# KiCad board C816SX.kicad_pcb (continued)
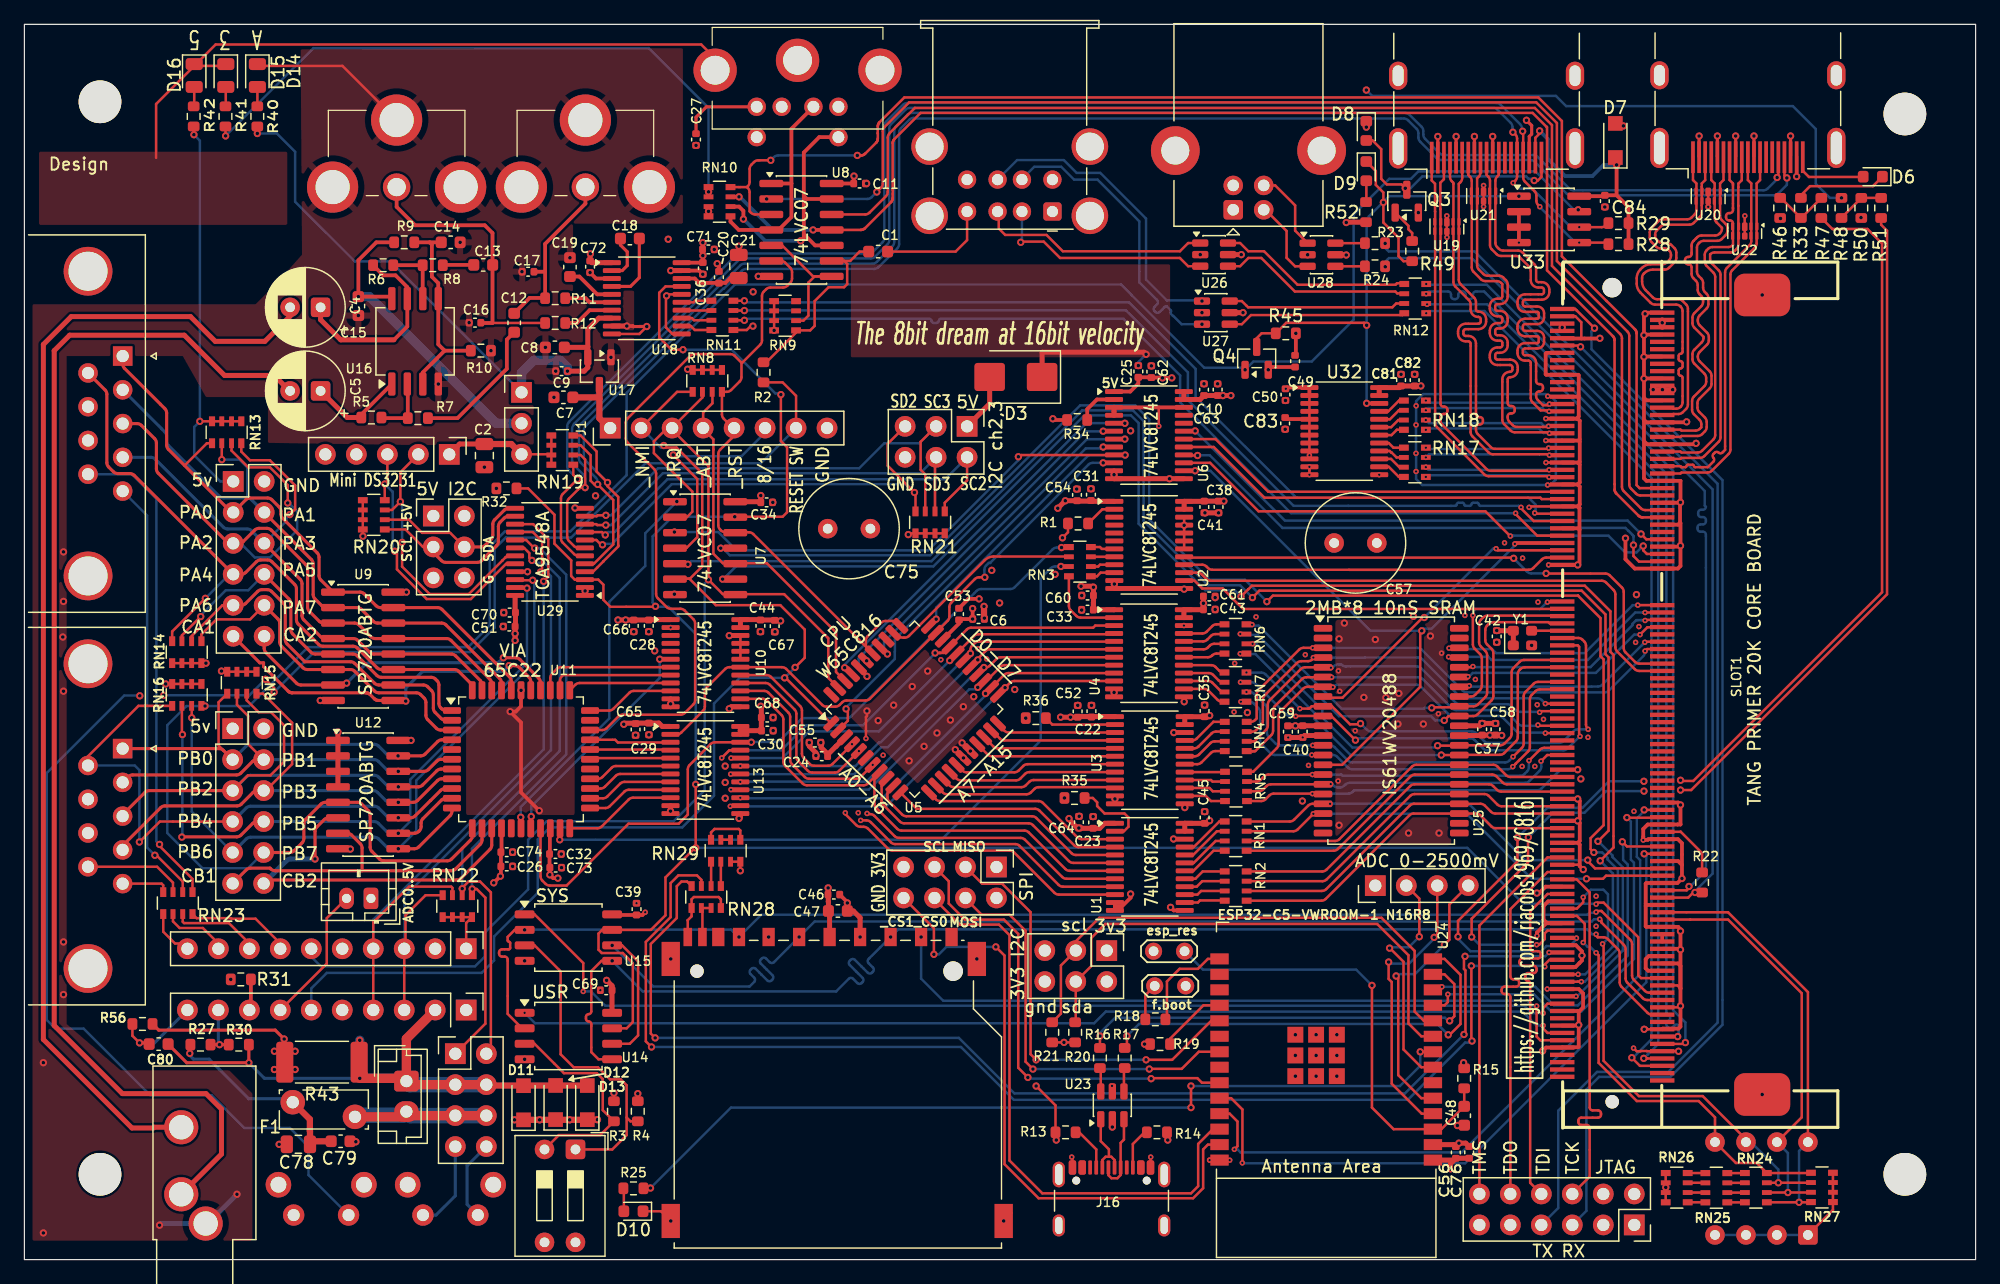
[diagram p0: board, top side]
## Routing (per net, layer and track width the routed paths; a pad name or vN(x,y) marks a point on that pad's centre or on a via; arc(x,y) is an arc through that point) (continued)
  Bottom w0.254: F1.2 21.72,13.2 18.4,13.2 15.15,16.45 13.86,16.45 13.56,16.75 v1(13.56,16.92)
  vias: v1(31.7,42.6) v1(82.11,44.43) v1(84.74,61.65) v1(85.29,37.88) v1(86.65,55.25) v1(114.31,85.91)
/_816: length 18.5
  Top w0.203: 53.3,58.41 54.31,58.41 55.17,59.27 55.17,64.04 53.7,65.52 53.7,65.53 v1(53.2,66.02)
  Bottom w0.203: 60.68,68.2 60.68,67.79 58.81,65.92 53.49,65.92 53.47,65.94 53.29,65.94 v1(53.2,66.02)
/_ABT: length 31
  Top w0.203: U5.42 66.55,48.22 66.55,51.47 60.88,57.14 57.28,57.14 56.5,57.92 56.5,59.89 56.49,59.89 56.49,66.47 56.5,66.47 56.5,67.3 55.61,68.19 J1.4 55.66,69.5 56.42,70.26 56.42,71.18 RN8.7
/_CS2_VIA: length 61.3
  Top w0.203: RN3.5 85.61,58.43 v1(85.04,58.43) ; v1(59.6,42.45) 59.6,42.45 56.63,42.45 arc(56.43,42.41) 56.27,42.3 54.55,40.58 arc(54.44,40.41) 54.4,40.22 54.4,36.52 53.65,35.77 49.54,35.77 44.46,30.69 43.09,30.69 arc(42.9,30.73) 42.73,30.84 42.47,31.1 arc(42.36,31.26) 42.32,31.45 U11.19
  Bottom w0.2: v1(85.04,58.43) 84.67,58.43 arc(84.48,58.39) 84.31,58.28 81.2,55.17 arc(81.04,55.06) 80.85,55.02 78.44,55.02 arc(78.25,54.98) 78.09,54.88 77.9,54.69
  Bottom w0.203: 77.9,54.69 67.79,44.58 arc(67.63,44.47) 67.44,44.43 63.99,44.43 arc(63.8,44.39) 63.64,44.28 61.98,42.62 arc(61.81,42.51) 61.62,42.47 59.62,42.47 v1(59.6,42.45)
/_RESET: length 96.8
  Top w0.203: 58.8,73.6 58.8,72.41 arc(58.76,72.22) 58.65,72.05 57.95,71.35 arc(57.78,71.24) 57.59,71.2 RN8.8 57.2,69.35 arc(57.24,69.16) 57.35,68.99 57.99,68.35 arc(58.1,68.18) 58.14,67.99 58.14,67.75 arc(58.1,67.56) 57.99,67.39 57.05,66.45 arc(56.94,66.28) 56.9,66.09 56.9,60.26 arc(56.94,60.07) 57.05,59.91 57.13,59.83 arc(57.29,59.72) 57.48,59.68 59.41,59.68 arc(59.6,59.64) 59.76,59.53 U5.38 69.15,50.15 arc(69.04,50.31) 69,50.5 69,50.79 arc(69.04,50.98) 69.15,51.15 70.25,52.25 arc(70.42,52.36) 70.61,52.4 71.21,52.4 arc(71.41,52.36) 71.57,52.25 U5.34 ; 58.8,73.6 58.24,74.15 arc(58.08,74.26) 57.89,74.3 54.95,74.3 arc(54.76,74.26) 54.6,74.15 49.46,69.02 arc(49.35,68.86) 49.31,68.67 49.31,67.39 arc(49.35,67.2) 49.46,67.04 51.65,64.85 arc(51.76,64.68) 51.8,64.49 51.8,54.61 arc(51.84,54.42) 51.95,54.26 52.66,53.55 arc(52.82,53.44) 53.01,53.4 53.79,53.4 arc(53.98,53.36) 54.15,53.25 54.85,52.55 arc(54.96,52.38) 55,52.19 55,45.91 arc(54.96,45.72) 54.85,45.55 54.16,44.86 arc(53.99,44.75) 53.8,44.71 49.06,44.71 arc(48.87,44.67) 48.7,44.56 47.74,43.6 arc(47.58,43.49) 47.38,43.45 U11.31 ; 58.8,73.6 58.86,73.6 60.34,75.07 arc(60.44,75.23) 60.48,75.42 60.48,79.07 arc(60.52,79.26) 60.63,79.43 60.82,79.62 arc(60.98,79.72) 61.17,79.76 62.21,79.76 arc(62.4,79.8) 62.56,79.91 62.8,80.15 arc(62.91,80.31) 62.95,80.5 62.95,81.03 arc(62.91,81.22) 62.8,81.38 62.38,81.8 arc(62.22,81.91) 62.03,81.95 U8.6
/_RWVIA: length 18.3
  Top w0.203: v1(41.56,36.35) 41.52,36.32 U11.18
  Bottom w0.203: v1(52.1,49.26) 52.1,47.73 41.56,37.19 v1(41.56,36.35)
/_VP: length 31.4
  Top w0.203: U5.40 69.09,47.94 v1(69.09,47.86) ; v1(88.46,67.98) 89.35,67.97
  Bottom w0.203: v1(88.46,67.98) 88.44,67.96 87.03,67.96 68.41,49.33 68.41,48.55 v1(69.09,47.86)
/A0: length 46.6
  Top w0.203: 89.4,29.93 U1.10 84.82,29.95 arc(84.63,29.99) 84.47,30.1 81.15,33.41 arc(80.99,33.52) 80.8,33.56 71.18,33.56 arc(70.99,33.6) 70.83,33.71 69.17,35.36 arc(69.01,35.47) 68.81,35.51 68.56,35.51 arc(68.37,35.55) 68.21,35.66 67.32,36.55 v2(67.32,36.66) ; v2(67.87,42.29) 67.87,42.31 ; v2(67.87,42.29) 67.87,42.27 66.26,40.67 arc(66.1,40.56) 65.91,40.52 64.75,40.52 arc(64.56,40.56) 64.4,40.67 63.91,41.16 arc(63.8,41.32) 63.76,41.51 63.76,45.06 arc(63.72,45.25) 63.61,45.41 61.21,47.82 arc(61.05,47.92) 60.86,47.96 U10.17 ; v2(67.87,42.29) 67.44,41.86
  In3.Cu w0.203: v2(67.87,42.29) 67.36,41.79 67.36,36.71 v2(67.32,36.66)
/A1: length 45.1
  Top w0.203: U1.9 85.16,30.6 arc(84.97,30.64) 84.81,30.75 81.61,33.95 arc(81.45,34.05) 81.26,34.09 71.41,34.09 arc(71.22,34.13) 71.06,34.24 69.4,35.89 arc(69.24,36) 69.05,36.04 v2(68.58,36.04) ; U10.16 60.77,47.31 arc(60.96,47.27) 61.13,47.17 63.16,45.14 arc(63.26,44.97) 63.3,44.78 63.3,41.26 arc(63.34,41.07) 63.45,40.91 64.25,40.11 arc(64.41,40) 64.6,39.96 66.46,39.96 arc(66.65,40) 66.81,40.11 v2(68.43,41.73) 68.44,41.73
  In3.Cu w0.203: v2(68.43,41.73) 67.84,41.14 67.84,36.44 68.25,36.04 v2(68.58,36.04)
/A2: length 43.2
  Top w0.203: U10.15 60.66,46.66 arc(60.85,46.62) 61.01,46.52 62.65,44.88 arc(62.76,44.72) 62.79,44.53 62.79,41.01 arc(62.83,40.81) 62.94,40.65 63.99,39.6 arc(64.16,39.49) 64.35,39.45 68.21,39.45 arc(68.4,39.49) 68.57,39.6 v2(69.56,40.59) 69.59,40.59 ; 69.1,36.59 69.13,36.56 69.34,36.56 arc(69.54,36.52) 69.7,36.41 71.36,34.75 arc(71.52,34.64) 71.71,34.6 81.69,34.6 arc(81.88,34.56) 82.04,34.45 85.1,31.39 arc(85.26,31.29) 85.46,31.25 89.42,31.25 U1.8
  In3.Cu w0.203: 69.1,36.59 v2(69.1,36.61) 69.1,36.74 69.07,36.77 69.07,40.11 v2(69.56,40.59)
/A3: length 41.8
  Top w0.203: U10.14 60.55,46.01 arc(60.74,45.97) 60.9,45.87 62.09,44.68 arc(62.2,44.52) 62.24,44.32 62.24,40.85 arc(62.27,40.66) 62.38,40.5 63.82,39.06 arc(63.98,38.96) 64.17,38.92 68.81,38.92 arc(69,38.96) 69.16,39.06 U5.8 69.85,39.75 arc(69.74,39.59) 69.7,39.4 69.7,37.42 arc(69.74,37.23) 69.85,37.07 71.57,35.35 arc(71.74,35.24) 71.93,35.2 82,35.2 arc(82.19,35.16) 82.36,35.05 85.36,32.05 arc(85.53,31.94) 85.72,31.9 U1.7
/A4: length 23.2
  Top w0.203: U5.9 70.44,39.21 arc(70.33,39.05) 70.29,38.86 70.29,37.65 arc(70.33,37.46) 70.44,37.29 71.79,35.95 arc(71.95,35.84) 72.14,35.8 82.34,35.8 arc(82.53,35.76) 82.7,35.65 85.65,32.7 arc(85.82,32.59) 86.01,32.55 U1.6
/A5: length 21.8
  Top w0.203: U1.5 86.22,33.2 arc(86.03,33.24) 85.87,33.35 82.98,36.23 arc(82.82,36.34) 82.63,36.38 72.32,36.38 arc(72.13,36.42) 71.97,36.52 70.92,37.58 arc(70.81,37.74) 70.77,37.93 70.77,38.2 arc(70.81,38.39) 70.92,38.55 U5.10
/A6: length 19.4
  Top w0.203: U1.4 86.43,33.85 arc(86.24,33.89) 86.08,34 83.24,36.84 arc(83.07,36.95) 82.88,36.99 73.16,36.99 73.16,37 U5.11
/A7: length 16.8
  Top w0.203: U5.12 74.74,37.77 arc(74.9,37.66) 75.09,37.62 83.16,37.62 arc(83.35,37.58) 83.51,37.48 86.34,34.65 arc(86.51,34.54) 86.7,34.5 U1.3
/A8: length 15.2
  Top w0.203: U3.10 89.36,38.77 83.17,38.77 arc(82.98,38.73) 82.82,38.62 82.53,38.33 arc(82.37,38.22) 82.17,38.18 75.66,38.18 arc(75.47,38.22) 75.31,38.33 U5.13
/A9: length 14.6
  Top w0.203: U3.9 82.76,39.35 arc(82.57,39.31) 82.4,39.2 82.11,38.91 arc(81.95,38.8) 81.76,38.77 76.21,38.77 arc(76.02,38.8) 75.86,38.91 U5.14
/A10: length 14.1
  Top w0.203: U5.15 76.43,39.47 arc(76.59,39.36) 76.78,39.32 81.32,39.32 arc(81.51,39.36) 81.67,39.47 82.05,39.85 arc(82.22,39.96) 82.41,40 U3.8
/A11: length 13.4
  Top w0.203: U5.16 76.9,40.13 arc(77.06,40.02) 77.26,39.99 81.18,39.99 arc(81.37,40.02) 81.53,40.13 81.9,40.5 arc(82.07,40.61) 82.26,40.65 U3.7
/A12: length 11.7
  Top w0.203: U5.19 78.98,41.45 arc(79.14,41.34) 79.33,41.3 U3.6
/A13: length 11.1
  Top w0.203: U3.5 79.82,41.95 arc(79.62,41.99) 79.46,42.1 U5.20
/A14: length 10.5
  Top w0.203: U3.4 80.35,42.6 arc(80.16,42.64) 80,42.75 79.32,43.42 U5.21
/A15: length 9.9
  Top w0.203: U5.22 79.83,43.93 80.36,43.4 arc(80.53,43.29) 80.72,43.25 U3.3
/Audio - Video/(SCK): length 2.6
  Top w0.203: U18.12 54.65,76.6 54.97,76.28 RN11.8
/Audio - Video/BCK: length 2.5
  Top w0.203: RN11.7 54.91,77.08 54.74,77.25 U18.13
/Audio - Video/DIN: length 2.4
  Top w0.203: RN11.6 53.93,77.88 U18.14
/Audio - Video/L: length 14.5
  Top w0.305: J11.1 46,88 46,86.65 42.7,83.34 42.7,81.06 ; C12.2 41.43,78.91 42.67,78.91 R11.1 42.7,81.06 ; 42.7,81.06 C17.1
/Audio - Video/LHP: length 102
  Top w0.406: C5.2 21.75,71.28 20.48,72.55 16.41,72.55 13.11,75.85 3.71,75.85 2.44,74.58 2.44,19.21 8.03,13.62 14.89,13.62 16.16,12.35 16.16,8.66 J10.T
/Audio - Video/LRCK: length 2.5
  Top w0.203: U18.15 54.88,78.55 55,78.67 RN11.5
/Audio - Video/R: length 24
  Top w0.203: R12.1 37.45,76.85 C16.1
  Top w0.305: J13.1 30.52,86.38 32.03,84.87 37.75,84.87 38.38,84.23 38.38,76.85 37.45,76.85 ; 42.67,76.88 R12.1
/Audio - Video/RHP: length 95
  Top w0.406: J10.R 10.63,10.86 10.57,10.8 8.82,10.8 1.56,18.06 1.56,75.09 3.84,77.37 13.62,77.37 15.65,75.34 19.72,75.34 21.79,77.41 C4.2
/Audio - Video/VAMP: length 27
  Top w0.305: U16.8 29.96,79.01 v1(27.39,79.01) 27.39,82 28.86,83.47 R9.2
  Bottom w0.762: v1(27.39,79.01) 28.29,79.01 38.68,68.62 J12.2
/CA1: length 29.8
  Top w0.254: v1(39.75,48.73) 40.22,48.73 arc(40.42,48.7) 40.58,48.59 41.38,47.79 arc(41.49,47.63) 41.52,47.43 U11.38 ; J6.11 19.31,48.97 19.61,48.97 19.61,48.66 21.62,46.65 21.64,46.63 21.69,46.59 21.75,46.56 21.81,46.53 21.87,46.52 21.94,46.51 21.97,46.51 28,46.51 28.03,46.51 28.1,46.5 28.16,46.48 28.22,46.46 28.28,46.42 28.33,46.38 28.35,46.36 28.69,46.02 28.71,46 28.77,45.96 28.82,45.93 28.88,45.9 28.95,45.89 29.01,45.88 29.04,45.88 31.22,45.88 v1(31.27,45.83)
  Bottom w0.254: v1(39.75,48.73) 39.42,48.41 arc(39.26,48.3) 39.07,48.27 32.85,48.27 arc(32.66,48.23) 32.5,48.12 31.27,46.9 v1(31.27,45.83)
/CA2: length 27.4
  Top w0.254: J6.12 19.66,50.15 arc(19.7,49.96) 19.81,49.8 22.32,47.29 arc(22.48,47.19) 22.67,47.15 U9.7 26.06,47.15 arc(26.25,47.19) 26.42,47.29 v1(26.42,47.3) ; v1(39.27,49.38) 40.29,49.38 arc(40.48,49.35) 40.64,49.24 42.18,47.7 arc(42.29,47.54) 42.32,47.35 U11.37
  Bottom w0.254: v1(26.42,47.3) 27.95,48.83 arc(28.11,48.94) 28.31,48.98 38.66,48.98 arc(38.85,49.01) 39.01,49.12 v1(39.27,49.38)
/CB1: length 27.5
  Top w0.254: U12.7 26.48,34.98 arc(26.67,34.94) 26.83,34.83 27.55,34.12 arc(27.65,33.96) 27.69,33.77 27.69,31.91 ; U11.13 37.52,34.43 arc(37.49,34.24) 37.38,34.08 35.36,32.05 arc(35.19,31.95) 35,31.91 27.69,31.91 ; 27.69,31.91 20.56,31.91 arc(20.37,31.95) 20.2,32.05 20.14,32.12 18.54,32.12 arc(18.35,32.08) 18.19,31.97 J7.11
/CB2: length 31.2
  Top w0.254: v1(23.83,32.87) 23.83,35.14 arc(23.87,35.33) 23.98,35.49 24.59,36.1 arc(24.75,36.21) 24.94,36.25 U12.6 ; U11.14 38.32,34.01 arc(38.29,33.82) 38.18,33.66 35.81,31.29 arc(35.65,31.18) 35.46,31.15 20.11,31.15 arc(19.92,31.11) 19.75,31 J7.12
  Bottom w0.406: J7.12 21.48,32.73 arc(21.64,32.84) 21.83,32.87 v1(23.83,32.87)
/D0: length 39.5
  Top w0.203: v2(57.18,41.17) 57.8,41.79 58.69,41.79 U13.21 ; 75.06,49.78 75.06,49.78 ; 75.06,49.78 75.35,49.78 U5.30 ; 75.06,49.78 75.15,49.78 arc(75.34,49.82) 75.5,49.93 77.27,51.7 arc(77.44,51.81) 77.63,51.85 87.64,51.85 87.81,52.03 U4.3 89.33,52 ; 75.06,49.78 75.06,49.78 ; 75.06,49.78 v1(74.68,49.78)
  Bottom w0.203: v2(57.18,41.17) 57.8,41.79 62.06,41.79 64.12,43.85 68.77,43.85 74.68,49.75 v1(74.68,49.78)
/D1: length 36.4
  Top w0.203: v2(57.94,41.15) 58.7,41.15 U13.20 ; U4.4 89.29,51.31 78.23,51.31 arc(78.03,51.28) 77.87,51.17 U5.29 76.44,49.72 v1(75.88,49.15)
  Bottom w0.203: v1(75.88,49.15) 70.06,43.34 64.34,43.34 62.16,41.15 v2(57.94,41.15)
/D2: length 36
  Top w0.203: U4.5 89.33,50.7 78.24,50.7 arc(78.05,50.67) 77.89,50.56 77.72,50.39 arc(77.61,50.23) 77.58,50.04 v1(77.58,49.74) U5.28
  Bottom w0.203: v2(58.71,40.5) 58.71,40.49 68.14,40.49 70.09,42.45 70.21,42.45 77.5,49.74 v1(77.58,49.74)
/D3: length 36.5
  Top w0.203: U4.6 79.16,50.08 arc(78.97,50.04) 78.81,49.93 78.18,49.3 v1(78.18,49.21) ; U13.18 58.69,39.83 v2(57.92,39.83) ; 77.57,48.64 U5.27
  Bottom w0.203: v1(78.18,49.21) 78.17,49.21 77.73,48.77 77.53,48.77 70.8,42.04 70.26,42.04 68.05,39.83 v2(57.92,39.83)
/D4: length 35.6
  Top w0.203: U5.26 v1(78.68,48.58) 78.81,48.58 arc(79,48.62) 79.16,48.73 79.71,49.28 arc(79.87,49.39) 80.06,49.43 U4.7
  Bottom w0.203: v1(78.68,48.58) U5.26 77.86,48.04 69.04,39.22 58.73,39.22 v2(58.71,39.2)
/D5: length 36.4
  Top w0.203: 58.67,38.51 U13.16 58.69,38.56 v2(57.94,38.56) ; v1(78.18,46.95) 78.19,46.95 U5.25 78.87,47.47 80.02,48.63 arc(80.19,48.74) 80.38,48.78 U4.8
  Bottom w0.203: v1(78.18,46.95) 78.01,46.79 77.48,46.79 69.25,38.56 v2(57.94,38.56)
/D6: length 35
  Top w0.203: U4.9 80.69,48.13 arc(80.5,48.09) 80.34,47.98 U5.24 78.81,46.45 v1(78.81,46.45)
  Bottom w0.203: v1(78.81,46.45) 78.81,46.3 70.36,37.85 58.75,37.85 v2(58.71,37.9)
/D7: length 36.6
  Top w0.203: v2(57.88,37.2) 58.65,37.2 58.71,37.25 ; v1(80.42,46.92) 80.82,47.33 arc(80.98,47.44) 81.18,47.48 U4.10
  Bottom w0.203: v1(80.42,46.92) 80.4,46.92 70.67,37.19 57.89,37.19 v2(57.88,37.2)
/DATADIR5V: length 6.6
  Top w0.203: RN3.8 85.65,53.63 arc(85.69,53.44) 85.8,53.28 86.26,52.82 arc(86.42,52.71) 86.61,52.68 U4.2
/E: length 64.6
  Top w0.203: 53.3,59.68 v1(53.3,59.7) ; v1(81.51,65.88) 81.63,65.88 81.77,66.02 v1(90.26,66.02) 90.24,66 89.38,66 U6.9 ; v1(74.77,52.55) 74.65,52.55 74.18,52.08 U5.33
  In3.Cu w0.203: 53.4,59.6 v1(53.3,59.7)
  Bottom w0.203: v1(53.3,59.7) 56.9,59.7 58.4,58.2 74.11,58.2 81.51,65.6 v1(81.51,65.88) ; v1(74.77,52.55) 74.77,53.51 87.26,66 90.24,66 v1(90.26,66.02)
/ESP/_CS0: length 48.5
  Top w0.203: J19.6 74.63,29.57 76.71,27.49 79.91,27.49 80.78,26.62 80.78,8.13 83.47,5.44 95.66,5.44 96.25,6.03 96.25,9.49 97.46,10.7 U24.26
/ESP/_CS1: length 51.6
  Top w0.203: v1(74.58,25.05) 74.58,27.18 J19.8 ; U24.27 97.05,9.44 96.66,9.04 96.66,5.86 95.83,5.03 83.16,5.03 80.37,7.83 80.37,24.95 v1(79.66,25.66)
  Bottom w0.203: v1(79.66,25.66) 75.6,25.66 74.99,25.05 v1(74.58,25.05)
/ESP/_ESP_RESET: length 37.1
  Top w0.203: R15.1 C48.2 116.19,10.7 U24.3 112.27,10.7 110.5,12.48 v1(110.5,22.5)
  Bottom w0.2: JP1.1 96.65,23.79 109.21,23.79 v1(110.5,22.5)
/ESP/_FWFLASH: length 3.1
  Top w0.203: R18.1 91.92,21.69 JP2.1
/ESP/ADC_CH0: length 19.3
  Top w0.203: v1(111.94,25.56) 111.97,25.56 113.09,24.44 113.09,17.25 114.55,15.78 U24.7 ; v1(114.38,26.5) 114.38,29.62 J18.2
  Bottom w0.203: v1(114.38,26.5) 113.52,25.63 112.02,25.63 v1(111.94,25.56)
/ESP/ADC_CH1: length 23.6
  Top w0.203: v1(111.87,24.42) 111.87,23.03 112.12,22.78 112.12,14.43 114.58,11.97 U24.4 ; v1(115.6,26.44) 115.85,26.7 J18.3
  Bottom w0.203: v1(115.6,26.44) 115.6,26.35 113.54,24.29 111.99,24.29 v1(111.87,24.42)
/ESP/ADC_CH2: length 22.5
  Top w0.203: v1(112.48,23.27) 112.65,23.1 112.65,15.14 114.55,13.25 U24.5 ; J18.4 116.85,29.14 116.85,26.24 v1(116.44,25.84)
  Bottom w0.203: v1(116.44,25.84) 114.03,23.42 112.71,23.42 112.56,23.27 v1(112.48,23.27)
/ESP/ESP_USB_N: length 1.9
  Top w0.203: U23.6 88.26,15.65 R16.1
/ESP/ESP_USB_P: length 1.9
  Top w0.203: R17.1 90.16,15.65 U23.4
/ESP/MISO2: length 35.5
  Top w0.203: J19.3 78.54,30.84 80.18,30.84 82.5,28.51 82.5,16.85 v1(82.96,16.4) ; U24.19 97.32,19.59 94.12,16.4 v1(91.98,16.4)
  Bottom w0.203: v1(91.98,16.4) v1(82.96,16.4)
/ESP/MOSI2: length 33.6
  Top w0.203: v1(82.7,15.64) 82.1,16.24 82.1,25.51 82.1,26.98 80.78,28.3 78.49,28.3 77.17,29.62 J19.4 ; 98,17.06 96.3,17.06 94.9,15.65 92.26,15.65 v1(92.24,15.64)
  Bottom w0.203: v1(82.7,15.64) v1(92.24,15.64)
/ESP/SCL2: length 38.2
  Top w0.203: v1(82.29,14.95) 81.49,15.74 81.49,26.72 80.32,27.89 77.12,27.89 75.8,29.22 75.8,31.04 J19.5 ; U24.23 96.56,14.52 96.18,14.89 92.44,14.89 v1(92.39,14.85)
  Bottom w0.203: v1(82.29,14.95) 82.39,14.85 v1(92.39,14.85)
/F_VCCO0&1: length 0.6
  Top w0.305: SLOT1.164 SLOT1.166
/F_VCCO7: length 3.6
  Top w0.305: SLOT1.170 133.2,24.9 132.94,24.65 132.94,23.9 133.15,23.7 SLOT1.174
/I2C/ADC_AI0: length 11.4
  Top w0.203: J26.7 24.8,24.29 24.8,28.02 J28.2
/I2C/ADC_AI1: length 2.6
  Top w0.305: J26.8 18.57,20.6 R31.2
/I2C/ADC_AI2: length 4.4
  Top w0.254: R27.2 v1(16,17.64) R30.1
  Bottom w0.254: v1(16,17.64) 15.91,17.73 J26.9
/I2C/ADC_AI3: length 7.7
  Top w0.2: 8.57,19.44 8.58,19.44
  Top w0.203: R56.1 8.86,18.37 v1(9.44,17.78)
  Top w0.254: C80.2 10.13,17.78 v1(9.44,17.78)
  Bottom w0.254: v1(9.44,17.78) 10.67,17.78 J26.10
/I2C/SCL3: length 39.5
  Top w0.203: RN21.7 73.87,64.43 73.49,64.81 73.49,67.1 J22.3 ; 45.96,61 46.92,61 47,61.07 v1(47.68,61.07)
  Bottom w0.203: J22.3 73.37,66.98 70.51,66.98 68.45,64.93 60.25,64.93 60.25,64.93 51.95,64.93 48.09,61.07 v1(47.68,61.07)
/I2C/SCL_5V: length 14.5
  Top w0.2: J23.3 32.68,58.48 31.25,59.91 RN20.5
  Top w0.254: 40.24,61 39.71,61 arc(39.52,60.96) 39.35,60.85 39.01,60.51 arc(38.91,60.35) 38.87,60.16 38.87,58.94 arc(38.83,58.75) 38.72,58.58 37.49,57.35 arc(37.33,57.24) 37.14,57.21 34.55,57.21 arc(34.36,57.24) 34.2,57.35 33.68,57.87 arc(33.57,58.03) 33.53,58.23 J23.3
/I2C/SCL_ADC: length 53.2
  Top w0.2: v1(42.32,56.42) 42.45,56.55 42.45,58.93 41.69,59.69 U29.16
  Top w0.203: J29.3 31.25,25.61 31.25,28.25 32.9,29.9 RN22.4 ; 31.15,25.94 J26.3
  Bottom w0.2: v1(42.32,56.42) 42.83,56.42 43.18,56.07 43.18,41.81 31.17,29.8 31.17,25.96 31.15,25.94
/I2C/SCL_CH2: length 39.3
  Top w0.203: RN21.5 75.47,62.1 77.3,63.93 J22.2 ; U29.9 47.35,59.69 47.59,59.46 v1(47.63,59.46)
  Bottom w0.203: v1(47.63,59.46) 47.87,59.7 48.39,59.7 52.73,64.03 75.5,64.03 J22.2
/I2C/SCL_POW: length 50.6
  Top w0.203: U29.18 40.97,58.39 41.4,57.97 41.4,57.59 v1(41.62,57.37) 41.66,57.33 ; RN22.2 v1(35.9,30.43) 35.9,30.5 36.42,31.02 37.37,31.02 38.25,30.14 38.25,17.27 J4.2
  Bottom w0.203: 41.66,57.33 41.82,57.17 42.65,57.17 43.9,55.92 43.9,41.74 35.9,33.74 35.9,30.5
/I2C/SCL_RTC: length 23.2
  Top w0.2: RN20.8 v1(29.55,63.64)
  Top w0.203: v1(30.37,58.12) 30.55,57.94 30.55,56.64 32.99,54.2 36.61,54.2 39.5,57.09 U29.20 ; J25.3 29.76,63.85 v1(29.55,63.64)
  Bottom w0.203: v1(29.55,63.64) 30.18,63.01 30.21,63.01 30.21,58.28 v1(30.37,58.12)
/I2C/SDA3: length 35.6
  Top w0.203: RN21.6 74.67,65.74 J22.4 ; U29.10 46.89,60.34 46.97,60.27 v1(47.68,60.27)
  Bottom w0.203: J22.4 73.45,64.52 53.5,64.52 53.5,64.53 52.36,64.53 48.1,60.27 v1(47.68,60.27)
/I2C/SDA_5V: length 13.6
  Top w0.2: RN20.6 31.53,60.71 32.61,59.63 34.92,59.63 J23.4
  Top w0.254: U29.13 39.71,61.64 arc(39.52,61.61) 39.36,61.5 38.56,60.7 arc(38.45,60.54) 38.41,60.35 38.41,59.45 arc(38.37,59.25) 38.26,59.09 37.79,58.62 arc(37.63,58.51) 37.44,58.48 J23.4
/I2C/SDA_ADC: length 58.3
  Top w0.2: v1(42.58,55.66) 42.96,56.04 42.96,59.11 41.72,60.34 U29.15
  Top w0.203: RN22.3 35.1,30.5 35,30.6 31.54,30.6 28.61,27.67 J29.4 ; 28.61,25.94 J26.4
  Bottom w0.2: v1(42.58,55.66) 42.58,41.86 28.61,27.89 28.61,25.94
/I2C/SDA_CH2: length 38
  Top w0.203: U29.8 46.9,59.05 47.29,58.65 v1(47.4,58.65) ; RN21.8 73.07,62.86 70.79,65.14 70.79,66.94 J22.5
  Bottom w0.203: v1(47.4,58.65) 47.48,58.73 48.19,58.73 53.08,63.62 72.31,63.62 v1(72.99,62.94)
/I2C/SDA_POW: length 49.6
  Top w0.203: v1(41.85,58.38) 41.81,58.38 41.14,59.05 U29.17 ; v1(36.72,30.41) 36.72,30.41 37.09,30.41 37.8,29.7 37.8,19.36 J4.1
  Bottom w0.203: v1(41.85,58.38) 42.24,58.38 44.43,56.19 44.43,41.45 36.7,33.72 36.7,30.43 v1(36.72,30.41)
/I2C/SDA_RTC: length 22.9
  Top w0.2: RN20.7 30.15,61.51 v1(30.83,62.19)
  Top w0.203: J25.2 30.83,64.6 v1(30.83,62.19) ; U29.19 39.59,57.75 39.44,57.6 39.43,57.6 39.2,57.37 39.2,57.36 36.45,54.61 33.23,54.61 30.97,56.87 v1(30.97,58.85)
  Bottom w0.203: v1(30.97,58.85) 30.97,62.05 v1(30.83,62.19)
/JTAG_TCK: length 31.1
  Top w0.203: J2.6 128.35,6.81 128.35,10.81 arc(128.28,10.98) 128.11,11.05 127.66,11.05 arc(127.49,11.12) 127.42,11.29 127.42,11.41 arc(127.49,11.58) 127.66,11.65 129.04,11.65 arc(129.21,11.72) 129.28,11.89 129.28,12.01 arc(129.21,12.18) 129.04,12.25 128.59,12.25 arc(128.42,12.32) 128.35,12.49 128.35,30.13 127.29,31.2 SLOT1.149
/JTAG_TDI: length 31.1
  Top w0.203: J2.8 123.47,6.3 123.47,22.67 arc(123.42,22.81) 123.28,22.86 arc(123.14,22.92) 123.08,23.06 123.08,23.31 arc(123.14,23.45) 123.28,23.51 123.76,23.51 arc(123.93,23.58) 124,23.75 124,23.87 arc(123.93,24.04) 123.76,24.11 122.84,24.11 arc(122.67,24.18) 122.6,24.35 122.6,24.47 arc(122.67,24.64) 122.84,24.71 124.11,24.71 arc(124.28,24.78) 124.35,24.95 124.35,25.07 arc(124.28,25.24) 124.11,25.31 123.72,25.31 arc(123.55,25.38) 123.47,25.55 123.47,28.58 124.9,30 SLOT1.153
/JTAG_TDO: length 31.1
  Top w0.203: SLOT1.147 124.9,31.8 121.85,28.75 121.85,23.23 arc(121.92,23.06) 122.09,22.99 122.33,22.99 arc(122.5,22.92) 122.57,22.75 122.57,22.63 arc(122.5,22.46) 122.33,22.39 121.37,22.39 arc(121.2,22.32) 121.13,22.15 121.13,22.03 arc(121.2,21.86) 121.37,21.79 121.61,21.79 arc(121.78,21.72) 121.85,21.55 J2.10
/JTAG_TMS: length 31.1
  Top w0.203: J2.12 119.31,27.41 124.9,33 SLOT1.143
/M11_IOR27B_FPGA_TXO: length 87.7
  Top w0.203: SLOT1.11 127.5,75 v1(127.6,74.9)
  Bottom w0.203: J2.7 125.78,4.23 125.78,12.22 128.96,15.4 134.8,15.4 138.84,19.44 138.84,63.66 v1(127.6,74.9)
/PA0: length 51.3
  Top w0.203: RN13.5 14.96,66.98 13.14,65.16
  Top w0.254: J9.1 8.06,73.49 arc(8.1,73.3) 8.21,73.14 11.52,69.82 arc(11.63,69.66) 11.66,69.47 11.66,66.84 arc(11.7,66.65) 11.81,66.48 16.98,61.31 J6.3 18.16,62.34 arc(18.32,62.45) 18.51,62.49 19.94,62.49 arc(20.14,62.45) 20.3,62.34 20.89,61.75 arc(21,61.59) 21.04,61.4 21.04,61.17 arc(21.07,60.98) 21.18,60.82 24.01,57.99 arc(24.12,57.83) 24.16,57.63 24.16,56.12 arc(24.2,55.93) 24.31,55.76 U9.1 27.52,54.77 arc(27.71,54.73) 27.87,54.62 28.85,53.64 arc(29.01,53.54) 29.2,53.5 U9.15 33.89,53.5 arc(34.08,53.46) 34.24,53.35 39.78,47.81 arc(39.89,47.65) 39.92,47.46 U11.40
/PA1: length 51.8
  Top w0.203: RN13.6 v1(16.19,65.64)
  Top w0.254: J6.4 23.53,57.44 arc(23.64,57.28) 23.68,57.09 23.68,54.57 arc(23.72,54.38) 23.82,54.22 24.4,53.64 arc(24.56,53.54) 24.75,53.5 U9.2 27.28,53.5 arc(27.47,53.46) 27.63,53.35 28.61,52.37 arc(28.77,52.27) 28.97,52.23 U9.14 34.22,52.23 arc(34.41,52.19) 34.57,52.08 38.98,47.67 arc(39.09,47.51) 39.12,47.32 U11.41
  Bottom w0.203: J6.4 18.28,62.7 18.28,65 17.64,65.64 v1(16.19,65.64)
  Bottom w0.254: J6.4 18.63,62.34 arc(18.47,62.45) 18.28,62.49 16.33,62.49 arc(16.14,62.53) 15.98,62.64 11.81,66.8 arc(11.7,66.96) 11.66,67.16 11.66,67.56 arc(11.63,67.75) 11.52,67.91 J9.2
  Bottom w0.406: 19.73,61.37 J6.4
/PA2: length 61.1
  Top w0.203: RN13.7 16.99,66.38 18.36,65 20.14,65 21.6,63.55 v1(21.6,62.08)
  Top w0.254: J9.3 9.24,68.6 arc(9.43,68.56) 9.59,68.45 10.68,67.36 arc(10.79,67.2) 10.83,67.01 10.83,64.88 arc(10.86,64.69) 10.97,64.53 16.58,58.92 arc(16.75,58.81) 16.94,58.77 J6.5 17.59,58.77 arc(17.78,58.81) 17.95,58.92 18.88,59.85 arc(19.05,59.96) 19.24,60 19.89,60 arc(20.09,59.96) 20.25,59.85 23.07,57.03 arc(23.18,56.86) 23.22,56.67 23.22,53.54 arc(23.26,53.35) 23.37,53.19 24.18,52.37 arc(24.34,52.27) 24.54,52.23 U9.3 27.08,52.23 arc(27.27,52.19) 27.43,52.08 28.41,51.1 arc(28.57,51) 28.76,50.96 U9.13 34.62,50.96 arc(34.81,50.92) 34.98,50.81 38.18,47.61 arc(38.29,47.45) 38.32,47.26 U11.42
  Bottom w0.203: v1(21.6,62.08) 21.67,62.08 22.37,61.38 22.37,59.84 20.14,57.62 18.89,57.62 17.74,58.77 J6.5
/PA3: length 51.4
  Top w0.203: v1(21.76,61.13) 22.2,61.57 22.2,63.52 20.13,65.59 18.5,65.59 17.79,66.3 RN13.8
  Top w0.254: U11.43 37.52,47.17 arc(37.49,47.36) 37.38,47.52 35.36,49.54 arc(35.19,49.65) 35,49.69 U9.12 28.66,49.69 arc(28.47,49.73) 28.31,49.83 27.33,50.81 arc(27.17,50.92) 26.98,50.96 U9.4 24.65,50.96 arc(24.46,51) 24.29,51.1 22.91,52.49 arc(22.8,52.65) 22.76,52.84 22.76,55.46 arc(22.73,55.65) 22.62,55.81 J6.6
  Bottom w0.203: v1(21.76,61.13) 21.49,60.86 21.49,60.6 J6.6
  Bottom w0.254: J9.4 10.38,65.83 arc(10.57,65.79) 10.73,65.68 16.32,60.1 arc(16.48,59.99) 16.67,59.95 18.28,59.95 arc(18.47,59.91) 18.63,59.8 J6.6
/PA4: length 56.2
  Top w0.203: RN14.8 12.12,51.54 v1(14.84,54.26)
  Top w0.254: J9.6 6.62,71.36 arc(6.72,71.19) 6.76,71 6.76,65.39 arc(6.8,65.2) 6.91,65.04 7.3,64.64 arc(7.46,64.53) 7.65,64.5 8.65,64.5 arc(8.84,64.46) 9,64.35 J6.7 17.79,56.23 arc(17.98,56.27) 18.14,56.38 19.03,57.26 arc(19.19,57.37) 19.38,57.41 19.94,57.41 arc(20.14,57.37) 20.3,57.26 22.16,55.4 arc(22.27,55.24) 22.31,55.05 22.31,52.5 arc(22.35,52.31) 22.45,52.15 24.13,50.47 arc(24.29,50.37) 24.48,50.33 26.95,50.33 arc(27.14,50.29) 27.3,50.18 28.92,48.56 arc(29.08,48.46) 29.27,48.42 U9.11 35.26,48.42 arc(35.45,48.38) 35.61,48.27 36.58,47.3 arc(36.69,47.14) 36.72,46.95 U11.44
  Bottom w0.203: v1(14.84,54.26) 16.81,56.23 J6.7
/PA5: length 31.9
  Top w0.203: v1(14.46,52.76) 12.92,51.22 RN14.7
  Top w0.254: U11.1 34.57,45.05 arc(34.38,45.09) 34.21,45.2 34.14,45.27 arc(34.03,45.44) 33.99,45.63 33.99,47.14 arc(33.95,47.34) 33.84,47.5 33.71,47.63 arc(33.55,47.74) 33.36,47.78 29.26,47.78 arc(29.07,47.82) 28.91,47.92 27.29,49.54 arc(27.13,49.65) 26.94,49.69 U9.5 23.85,49.69 arc(23.66,49.73) 23.5,49.83 22,51.34 arc(21.89,51.5) 21.85,51.69 21.85,53.83 arc(21.81,54.03) 21.7,54.19 J6.8
  Bottom w0.203: J6.8 18.35,54.92 16.52,54.92 14.46,52.86 v1(14.46,52.76)
  Bottom w0.406: J6.8 19.73,56.29
/PA6: length 30.2
  Top w0.203: J6.9 16.24,53.69 13.72,51.16 RN14.6
  Top w0.254: J6.9 17.79,53.69 arc(17.98,53.73) 18.14,53.84 19.13,54.82 arc(19.29,54.93) 19.48,54.97 19.92,54.97 arc(20.11,54.93) 20.27,54.82 21.25,53.85 arc(21.36,53.69) 21.39,53.49 21.39,50.87 arc(21.43,50.68) 21.54,50.51 23,49.06 23,49.06 26.74,49.06 arc(26.93,49.02) 27.1,48.91 28.71,47.29 arc(28.88,47.19) 29.07,47.15 U9.10 32.72,47.15 arc(32.91,47.11) 33.07,47 33.39,46.68 arc(33.5,46.52) 33.53,46.33 33.53,45.25 arc(33.57,45.06) 33.68,44.9 34.18,44.4 arc(34.34,44.29) 34.53,44.25 U11.2
/PA7: length 28.6
  Top w0.203: RN14.5 14.52,51.29 15.75,52.53 18.51,52.53 J6.10
  Top w0.254: J6.10 20.79,52.56 arc(20.9,52.4) 20.94,52.21 20.94,50.68 arc(20.97,50.49) 21.08,50.32 22.84,48.56 arc(23.01,48.46) 23.2,48.42 U9.6 26.74,48.42 arc(26.93,48.38) 27.09,48.27 28.71,46.65 arc(28.87,46.55) 29.06,46.51 32.14,46.51 arc(32.33,46.47) 32.49,46.36 32.78,46.08 arc(32.89,45.91) 32.92,45.72 32.92,44.66 arc(32.96,44.47) 33.07,44.31 33.78,43.6 arc(33.94,43.49) 34.13,43.45 U11.3
  Bottom w0.406: 20.16,53.69 J6.10
